# Altium PCB 2016核心板v3.0.PcbDoc
Units mil, origin at the board's own origin, x right, y up, seen from the top; angles counter-clockwise.
Board outline 2660.2 x 2023.11 mil, 2 copper layers (Top Layer, Bottom Layer); 52 components, 125 nets, 383 pads, 47 vias.
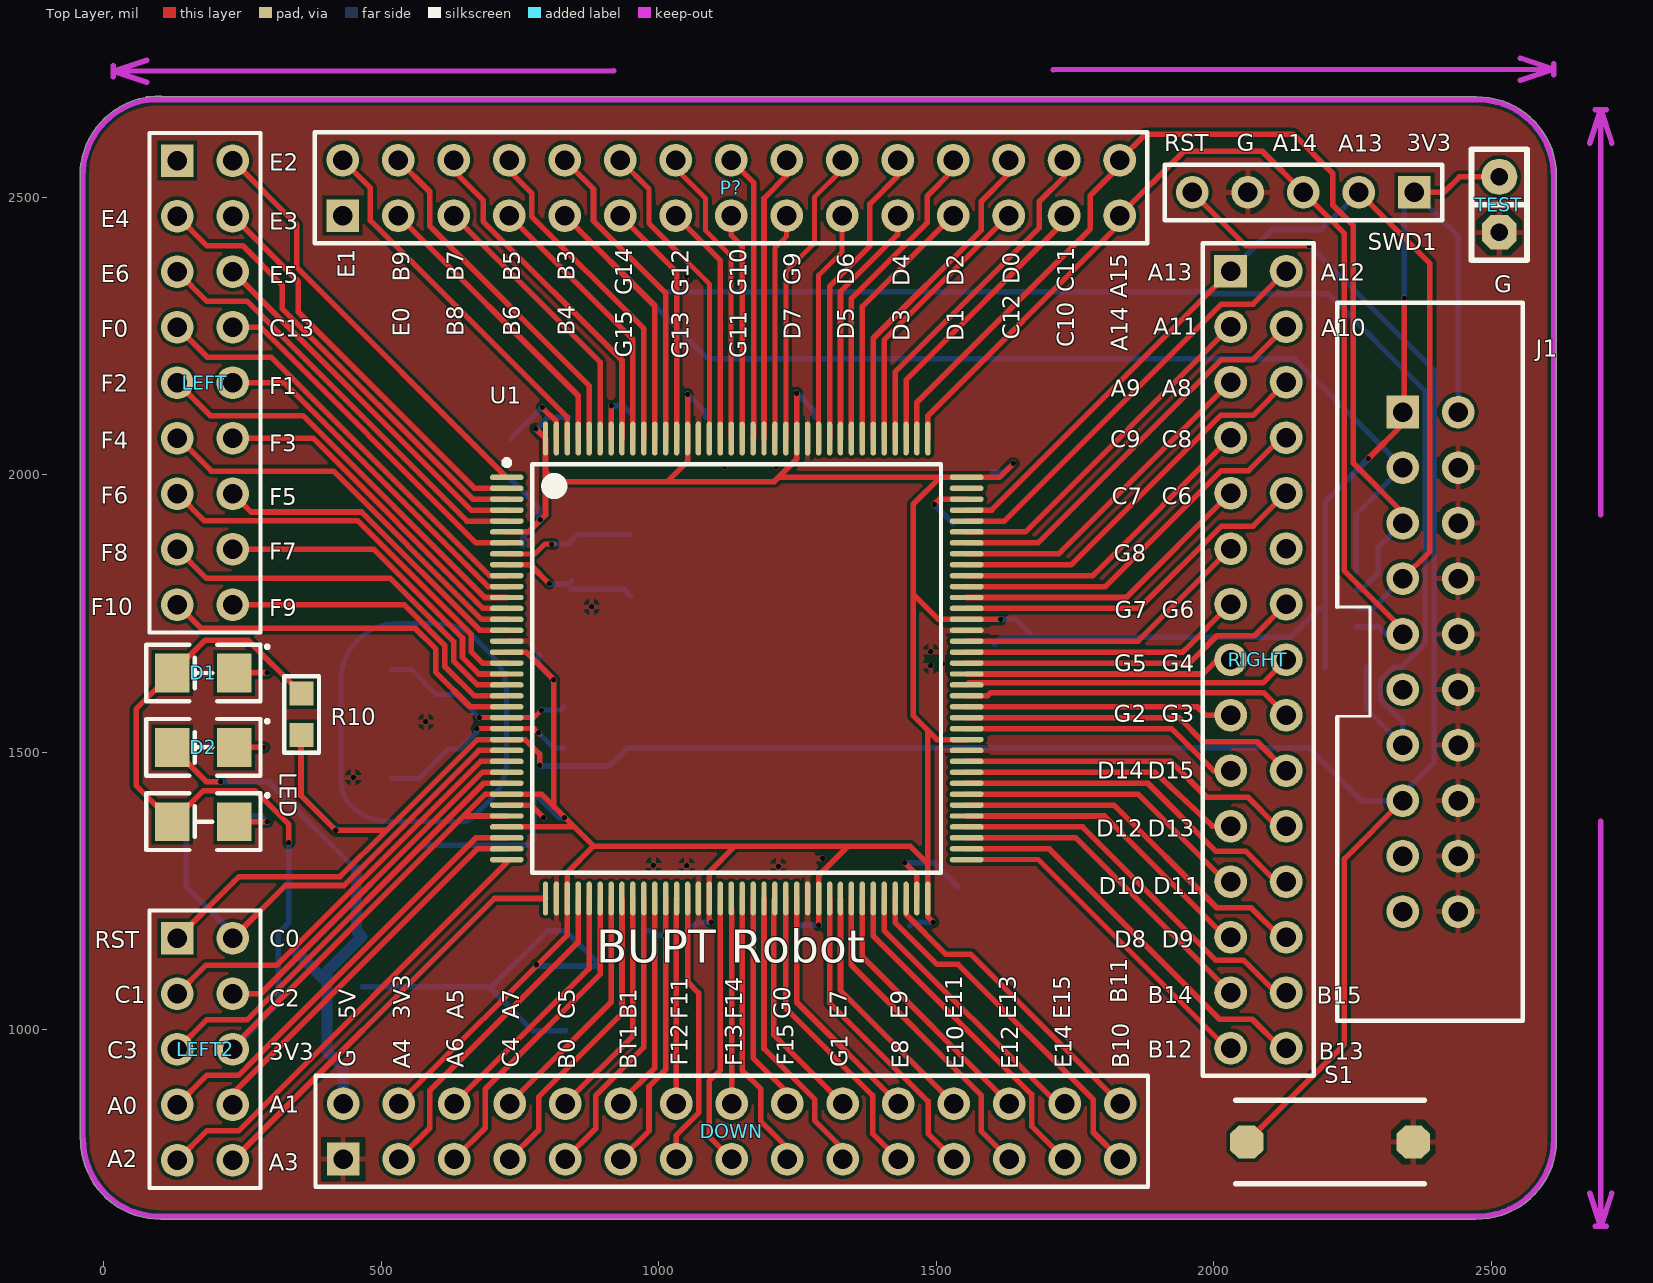
[diagram p0: Top Layer view]
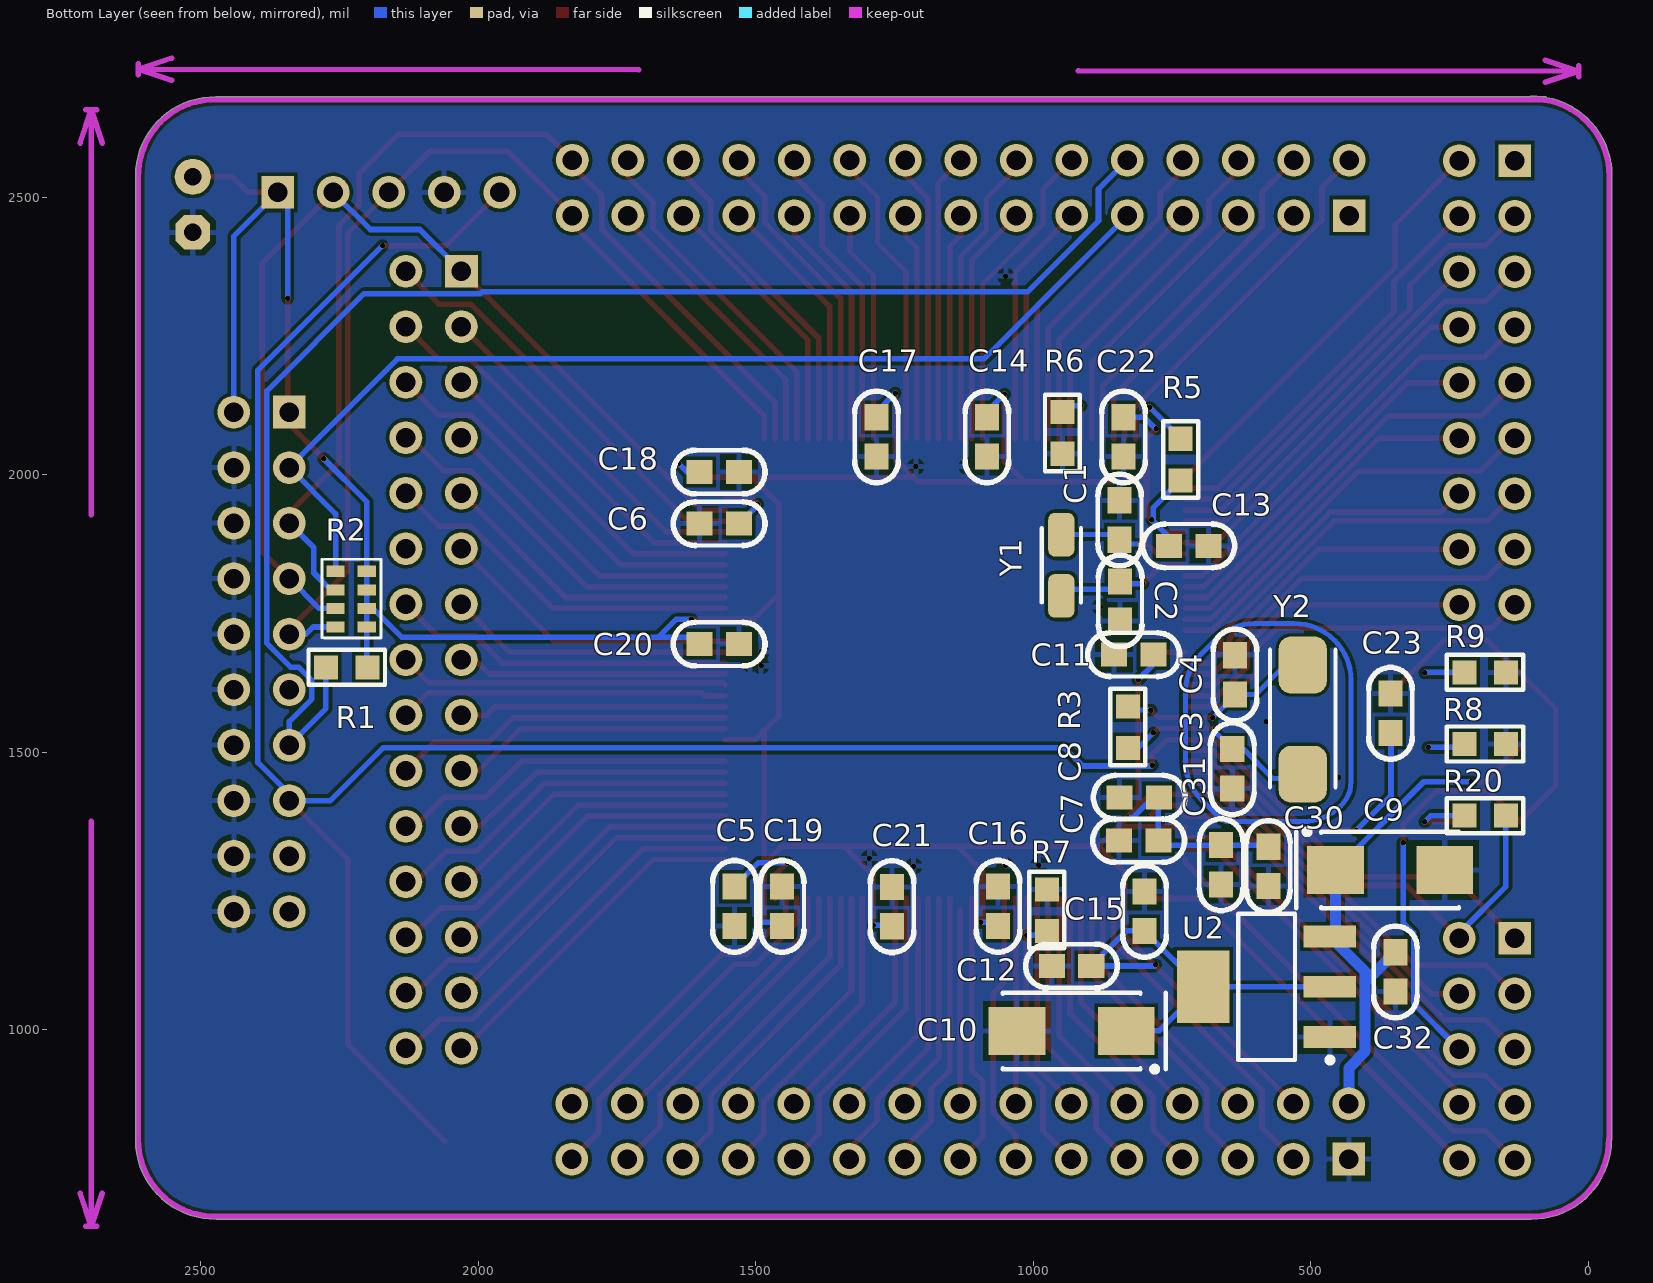
[diagram p1: Bottom Layer view, seen from below]

## Layer stack, top to bottom
Top Layer: signal copper 1.4
Dielectric: dielectric 12.6, FR-4, Dk 4.8
Bottom Layer: signal copper 1.4

## Board outline
-43.01,804 -43.01,2536.6 cw(c-38.08,2537.5) -43.1,2537.43 cw(c99.61,2539.32) 74.8,2679.86 cw(c78,2676) 78,2681.02 82.57,2681.02 cw(c99.61,2539.32) 102.09,2682.01 cw(c102,2677) 105.01,2681.02 2471.6,2681.02 cw(c2472.5,2676.08) 2472.43,2681.1 cw(c2474.32,2538.39) 2617.04,2538.39 cw(c2474.32,2538.39) 2617.02,2535.96 cw(c2474.32,2538.39) 2617.01,2535.91 2617.02,2536 2617.02,804.4 cw(c2612.08,803.5) 2617.1,803.57 cw(c2474.39,801.68) 2617.11,801.68 cw(c2474.39,801.68) 2471.96,658.99 cw(c2474.39,801.68) 2471.91,658.99 2471.96,658.99 103.4,658.99 cw(c102.5,663.92) 102.57,658.9 cw(c100.68,801.61) -42.03,801.02 cw(c-38,804)

## Design rules (kind name [scope] priority, off if disabled: settings)
Clearance [All] p1: gap=5.98
ComponentClearance [All] p1: gap=0.04 collisioncheckmode=3 verticalgap=10 showdistances=FALSE
PolygonConnect [All] p1: connectstyle=Relief reliefconductorwidth=10 reliefentries=4 polygonreliefangle="90 Angle" airgapwidth=10
RoutingVias RoutingVias_1 [All] p1: holewidth=28 width=50 viastyle="Through Hole" minholewidth=10 minwidth=10 maxholewidth=28 maxwidth=50
RoutingVias [All] p2: holewidth=12 width=12 viastyle="Through Hole" minholewidth=10 minwidth=10 maxholewidth=28 maxwidth=50
SolderMaskExpansion [All] p1: expansion=4
Width [All] p1: maxlimit=100 minlimit=7 preferedwidth=10
27 further rules are at their usual default settings.

## Components (designator, comment, footprint, x,y, rotation, side; value= is the part's Value field where it differs from the comment)
C1 "CAP" CAP-MLCC-0603#1 844,1954 r270 bottom
C2 "CAP" CAP-MLCC-0603#1 843,1737 r90 bottom
C3 "CAP" CAP-MLCC-0603#1 641,1435 r90 bottom
C4 "CAP" CAP-MLCC-0603#1 636,1675 r270 bottom
C5 "225" CAP-MLCC-0603#1 1538,1258 r270 bottom
C6 "225" CAP-MLCC-0603#1 1530,1912 r0 bottom
C7 "1uF" CAP-MLCC-0603#1 845,1341 r180 bottom
C8 "0.1uF" CAP-MLCC-0603#1 844,1419 r180 bottom
C9 "CAP-TAN" CAP-TAN-6032/CAPC 455,1288 r0 bottom
C10 "CAP-TAN" CAP-TAN-6032/CAPC 832,998 r180 bottom
C11 "CAP" CAP-MLCC-0603#1 854,1676 r180 bottom
C12 "CAP" CAP-MLCC-0603#1 966,1115 r180 bottom
C13 "CAP" CAP-MLCC-0603#1 684,1872 r0 bottom
C14 "CAP" CAP-MLCC-0603#1 1083,2033 r90 bottom
C15 "CAP" CAP-MLCC-0603#1 799,1249 r270 bottom
C16 "CAP" CAP-MLCC-0603#1 1063,1258 r270 bottom
C17 "CAP" CAP-MLCC-0603#1 1282,2033 r90 bottom
C18 "CAP" CAP-MLCC-0603#1 1530,2005 r0 bottom
C19 "CAP" CAP-MLCC-0603#1 1452,1258 r270 bottom
C20 "CAP" CAP-MLCC-0603#1 1530,1695 r0 bottom
C21 "CAP" CAP-MLCC-0603#1 1254,1257.3 r270 bottom
C22 "CAP" CAP-MLCC-0603#1 837,2033 r90 bottom
C23 "0.1u" CAP-MLCC-0603#1 356,1605.8 r270 bottom
C30 "1uF" CAP-MLCC-0603#2 576,1259 r270 bottom
C31 "10nF" CAP-MLCC-0603#2 661,1262 r270 bottom
C32 "CAP" CAP-MLCC-0603#2 347,1069 r270 bottom
D1 "LED" LED-1206 179,1643 r180 top
D2 "LED" LED-1206 179,1509 r180 top
DOWN "Header 15X2" HDR2X15 431,767 r0 top
J1 "JTAG" FC_2x10 2340,2113 r0 top
LED "LED" LED-1206 179,1375 r180 top (schematic designator D3)
LEFT "Header 9X2" HDR2X9 132,2566 r270 top
LEFT2 "Header 5X2" HDR2X5 132,1165 r270 top
P? "Header 15X2" HDR2X15 430,2467 r0 top
R1 "10K" Res-0603 2274,1653 r180 bottom
R2 "10K" RES-ARR4 2229,1776 r90 bottom
R3 "1MΩ" RES-0603#1 829,1508 r90 bottom
R5 "0Ω" RES-0603#1 734,2065 r270 bottom
R6 "RES" RES-0603#1 947,2038 r90 bottom
R7 "RES" RES-0603#1 975,1253 r270 bottom
R8 "RES" RES-0603#1 222.8,1515 r180 bottom
R9 "RES" RES-0603#1 148,1644 r0 bottom
R10 "RES" RES-0603#1 356,1531 r90 top
R20 "RES" RES-0603#2 148,1386 r180 bottom
RIGHT "Header 15X2" HDR2X15 2030,2367 r270 top
S1 "SW-PB" KEY 2209,798 r0 top
SWD1 "Header 5" HDR1X5 2361,2509 r180 top
TEST "Header 2" SIP2 2514,2537 r270 top
U1 "STM32F407ZGET6" LQFP144-L 1140,1651 r0 top
U2 "IC-AS1117-3.3V" SOT-223 465,987 r90 bottom
Y1 "32.768kHz" Osc-3216 949,1837 r90 bottom
Y2 "8MHz" Osc-6032 514,1559 r270 bottom

## Footprints (in the part's own frame and the unit in brackets; to place one, negate y for a bottom-side part, rotate by r counter-clockwise, add the part's x,y. Pads: shape width x height; smd on the part's side, far side on the other; paste and mask are expansions set on the pad)
CAP-MLCC-0603#1 [mm]
  rect 1.2x1.1 smd: 1(0,0) 2(1.8,0)
  silkscreen extent -1.2,-1 3,1, body extent 0.02,-0.48 1.77,0.47, height 0.85
CAP-MLCC-0603#2 [mm]
  rect 1.2x1.1 smd: 1(0,0) 2(-1.8,0)
  silkscreen extent -3,-1 1.2,1, body extent -1.77,-0.47 -0.02,0.48, height 0.85
CAP-TAN-6032/CAPC [mm]
  rect 2.6x2.2 smd: 1(0,0) 2(-5,0)
  silkscreen extent -5.65,-1.87 1.8,1.75
FC_2x10 [mm] "Connector; Header; 6x2 Position"
  rect 1.5x1.5 hole 0.9: 1(0,0)
  round 1.5 hole 0.9: 2(2.54,0) 3(0,-2.54) 4(2.54,-2.54) 5(0,-5.08) 6(2.54,-5.08) 7(0,-7.62) 8(2.54,-7.62) 9(0,-10.16) 10(2.54,-10.16) 11(0,-12.7) 12(2.54,-12.7) 13(0,-15.24) 14(2.54,-15.24) 15(0,-17.78) 16(2.54,-17.78) 17(0,-20.32) 18(2.54,-20.32) 19(0,-22.86) 20(2.54,-22.86)
  silkscreen extent -3,-27.86 5.5,5
HDR1X5 [mm] "Connector; Header; 5 Position"
  rect 1.5x1.5 hole 0.9: 1(0,0)
  round 1.5 hole 0.9: 2(2.54,0) 3(5.08,0) 4(7.62,0) 5(10.16,0)
  silkscreen extent -1.27,-1.27 11.43,1.27
HDR2X5 [mm] "Connector; Header; 5x2 Position"
  rect 1.5x1.5 hole 0.9: 1(0,0)
  round 1.5 hole 0.9: 2(0,2.54) 3(2.54,0) 4(2.54,2.54) 5(5.08,0) 6(5.08,2.54) 7(7.62,0) 8(7.62,2.54) 9(10.16,0) 10(10.16,2.54)
  silkscreen extent -1.27,-1.27 11.43,3.81
HDR2X9 [mm] "Connector; Header; 9x2 Position"
  rect 1.5x1.5 hole 0.9: 1(0,0)
  round 1.5 hole 0.9: 2(0,2.54) 3(2.54,0) 4(2.54,2.54) 5(5.08,0) 6(5.08,2.54) 7(7.62,0) 8(7.62,2.54) 9(10.16,0) 10(10.16,2.54) 11(12.7,0) 12(12.7,2.54) 13(15.24,0) 14(15.24,2.54) 15(17.78,0) 16(17.78,2.54) 17(20.32,0) 18(20.32,2.54)
  silkscreen extent -1.27,-1.27 21.59,3.81
HDR2X15 [mm] "Connector; Header; 15x2 Position"
  rect 1.5x1.5 hole 0.9: 1(0,0)
  round 1.5 hole 0.9: 2(0,2.54) 3(2.54,0) 4(2.54,2.54) 5(5.08,0) 6(5.08,2.54) 7(7.62,0) 8(7.62,2.54) 9(10.16,0) 10(10.16,2.54) 11(12.7,0) 12(12.7,2.54) 13(15.24,0) 14(15.24,2.54) 15(17.78,0) 16(17.78,2.54) 17(20.32,0) 18(20.32,2.54) 19(22.86,0) 20(22.86,2.54) 21(25.4,0) 22(25.4,2.54) 23(27.94,0) 24(27.94,2.54) 25(30.48,0) 26(30.48,2.54) 27(33.02,0) 28(33.02,2.54) 29(35.56,0) 30(35.56,2.54)
  silkscreen extent -1.27,-1.27 36.83,3.81
KEY [mil]
  oct 60x60 smd: 1(-150,0) 2(150,0)
  silkscreen extent -170,-75 170,75
LED-1206 [mil]
  rect 62x70 smd: 1(56,0) 2(-56,0)
  silkscreen extent -116,-51 103,51
LQFP144-L [mm]
  oval 1.55x0.25 smd: 1(-10.525,8.75) 2(-10.525,8.25) 3(-10.525,7.75) 4(-10.525,7.25) 5(-10.525,6.75) 6(-10.525,6.25) 7(-10.525,5.75) 8(-10.525,5.25) 9(-10.525,4.75) 10(-10.525,4.25) 11(-10.525,3.75) 12(-10.525,3.25) 13(-10.525,2.75) 14(-10.525,2.25) 15(-10.525,1.75) 16(-10.525,1.25) 17(-10.525,0.75) 18(-10.525,0.25) 19(-10.525,-0.25) 20(-10.525,-0.75) 21(-10.525,-1.25) 22(-10.525,-1.75) 23(-10.525,-2.25) 24(-10.525,-2.75) 25(-10.525,-3.25) 26(-10.525,-3.75) 27(-10.525,-4.25) 28(-10.525,-4.75) 29(-10.525,-5.25) 30(-10.525,-5.75) 31(-10.525,-6.25) 32(-10.525,-6.75) 33(-10.525,-7.25) 34(-10.525,-7.75) 35(-10.525,-8.25) 36(-10.525,-8.75) 73(10.525,-8.75) 74(10.525,-8.25) 75(10.525,-7.75) 76(10.525,-7.25) 77(10.525,-6.75) 78(10.525,-6.25) 79(10.525,-5.75) 80(10.525,-5.25) 81(10.525,-4.75) 82(10.525,-4.25) 83(10.525,-3.75) 84(10.525,-3.25) 85(10.525,-2.75) 86(10.525,-2.25) 87(10.525,-1.75) 88(10.525,-1.25) 89(10.525,-0.75) 90(10.525,-0.25) 91(10.525,0.25) 92(10.525,0.75) 93(10.525,1.25) 94(10.525,1.75) 95(10.525,2.25) 96(10.525,2.75) 97(10.525,3.25) 98(10.525,3.75) 99(10.525,4.25) 100(10.525,4.75) 101(10.525,5.25) 102(10.525,5.75) 103(10.525,6.25) 104(10.525,6.75) 105(10.525,7.25) 106(10.525,7.75) 107(10.525,8.25) 108(10.525,8.75)
  oval 0.25x1.55 smd: 37(-8.75,-10.525) 38(-8.25,-10.525) 39(-7.75,-10.525) 40(-7.25,-10.525) 41(-6.75,-10.525) 42(-6.25,-10.525) 43(-5.75,-10.525) 44(-5.25,-10.525) 45(-4.75,-10.525) 46(-4.25,-10.525) 47(-3.75,-10.525) 48(-3.25,-10.525) 49(-2.75,-10.525) 50(-2.25,-10.525) 51(-1.75,-10.525) 52(-1.25,-10.525) 53(-0.75,-10.525) 54(-0.25,-10.525) 55(0.25,-10.525) 56(0.75,-10.525) 57(1.25,-10.525) 58(1.75,-10.525) 59(2.25,-10.525) 60(2.75,-10.525) 61(3.25,-10.525) 62(3.75,-10.525) 63(4.25,-10.525) 64(4.75,-10.525) 65(5.25,-10.525) 66(5.75,-10.525) 67(6.25,-10.525) 68(6.75,-10.525) 69(7.25,-10.525) 70(7.75,-10.525) 71(8.25,-10.525) 72(8.75,-10.525) 109(8.75,10.525) 110(8.25,10.525) 111(7.75,10.525) 112(7.25,10.525) 113(6.75,10.525) 114(6.25,10.525) 115(5.75,10.525) 116(5.25,10.525) 117(4.75,10.525) 118(4.25,10.525) 119(3.75,10.525) 120(3.25,10.525) 121(2.75,10.525) 122(2.25,10.525) 123(1.75,10.525) 124(1.25,10.525) 125(0.75,10.525) 126(0.25,10.525) 127(-0.25,10.525) 128(-0.75,10.525) 129(-1.25,10.525) 130(-1.75,10.525) 131(-2.25,10.525) 132(-2.75,10.525) 133(-3.25,10.525) 134(-3.75,10.525) 135(-4.25,10.525) 136(-4.75,10.525) 137(-5.25,10.525) 138(-5.75,10.525) 139(-6.25,10.525) 140(-6.75,10.525) 141(-7.25,10.525) 142(-7.75,10.525) 143(-8.25,10.525) 144(-8.75,10.525)
  silkscreen extent -10.65,-9.35 9.35,9.55
Osc-3216 [mm]
  rrect50% 2x1.2 smd: 1(-1.4,0) 2(1.4,0)
  silkscreen extent -1.7,-0.9 1.7,0.9
Osc-6032 [mm]
  rrect50% 2.6x2.2 smd: 1(-2.5,0) 2(2.5,0)
  silkscreen extent -3.2,-1.5 3.1,1.5
Res-0603 [mm]
  rect 1.1x1.1 smd: 1(0,0) 2(1.9,0)
  silkscreen extent -0.8,-0.8 2.7,0.8, body extent 0.1,-0.48 1.8,0.47, height 0.6
RES-0603#1 [mm]
  rect 1.1x1.1 smd: 1(0,0) 2(1.9,0)
  silkscreen extent -0.8,-0.8 2.7,0.8, body extent 0.1,-0.48 1.8,0.47, height 0.6
RES-0603#2 [mm]
  rect 1.1x1.1 smd: 1(0,0) 2(-1.9,0)
  silkscreen extent -2.7,-0.8 0.8,0.8, body extent -1.8,-0.47 -0.1,0.48, height 0.6
RES-ARR4 [mm]
  rect 0.508x0.835 smd: 1(-1.275,0.701) 2(-1.275,-0.727) 3(-0.425,0.701) 4(-0.425,-0.727) 5(0.425,0.701) 6(0.425,-0.727) 7(1.275,0.701) 8(1.275,-0.727)
  silkscreen extent -1.77,-1.37 1.83,1.32
SIP2 [mil]
  round 65 hole 32: 1(0,0)
  oct 62x62 hole 32: 2(100,0)
  silkscreen extent -50,-50 150,50
SOT-223 [mm] "SOT223, 4-Leads, Body 6.7x7.3mm (max), Pitch 2.30mm, IPC Medium Density"
  rect 1x2.4 smd: 1(0,0) 2(2.3,0) 3(4.6,0)
  rect 3.3x2.4 smd: 2(2.3,5.8)
  silkscreen extent -1.17,-0.12 5.65,4.2

## Part data
C1 C2 C3 C4 C11 C12 C13 C14 C15 C16 C17 C18 C19 C20 C21 C22 C32: "无极性电容"
C5 C6 C7 C8 C23 C30 C31: library part CAP, "无极性电容"
C9 C10: "钽电容"
DOWN P? RIGHT: "Header, 15-Pin, Dual row"
LEFT: "Header, 9-Pin, Dual row"
LEFT2: "Header, 5-Pin, Dual row"
R1: library part Res1, "Resistor"
R2: library part RES-ARR4
R3 R5: library part RES, "电阻"
R6 R7 R8 R9 R10 R20: "电阻"
S1: "Switch"
SWD1: "Header, 5-Pin"
TEST: "Header, 2-Pin"
U1: library part Component_1
U2: "AS1117-3.3V"
Y1 Y2: library part C-Osc, "Crystal Oscillator"

## Via types
v1: diameter 10, hole 10, Top Layer to Bottom Layer, 47 vias

## Nets (pads, with @x,y where several pads share a name; then routed paths per layer and width w, separated by ;. In a path a pad name is that pad's centre, name@x,y a point inside that pad or via, vN(x,y) a via of type N, cw(c..) or ccw(c..) an arc to the next point about the centre after c; other vN are vias at no path point)
3V3: C7.2 C8.2 C10.1 C11.2 C12.2 C13.2 C14.2 C15.2 C16.2 C17.2 C18.2 C19.2 C20.2 C21.2 C22.2 C30.2 C31.2 D1.1 DOWN.4 J1.1 J1.2 LED.1 LEFT2.6 R1.2 R2.2 R2.4 R2.6 R2.8 R5.2 R10.2 SWD1.1 TEST.1 U1.6 U1.17 U1.30 U1.32 U1.33 U1.39 U1.52 U1.62 U1.72 U1.84 U1.95 U1.108 U1.121 U1.131 U1.144 U2.2 | length 10718
  Top Layer w10: LEFT2.6 232,969.39 647.86,1385.25 ; v1(333,1337) 333,1370 271.98,1431.02 179.02,1431.02 LED.1 58,1440 58,1578 D1.1 182,1702 259.8,1702 R10.2 ; DOWN.4 834.88,1170.88 U1.39 834.88,1283.88 882,1331 ; U1.33 847.43,1365.57 ; U1.32 647.86,1385.25 ; U1.17 760.89,1680.53 v1(810.63,1630.78) 810.63,1402.37 ; U1.6 765.06,1897.06 795.51,1927.51 795.51,2006 ; v1(777.88,2083) U1.144 795.51,2006 ; v1(1051.42,2145.42) U1.131 1051.42,2023.91 1015.17,1987.66 ; v1(1094,1193.49) 1090.79,1196.7 U1.52 1090.79,1284.79 1137,1331 ; 1218.51,1995.49 1506.49,1995.49 ; v1(1248.27,2147.27) U1.121 1248.27,2028.27 1207.66,1987.66 1015.17,1987.66 ; v1(1287.64,1188.36) U1.62 1287.64,1277.64 1341,1331 ; v1(1494,1194) 1484.49,1203.51 U1.72 1484.49,1299 ; U1.84 1500.95,1523.05 1484.49,1539.51 ; v1(1615.58,1739.58) U1.95 1503.42,1739.58 1458,1785 ; v1(1638.5,2020.5) 1613.49,1995.49 U1.108 1506.49,1995.49 ; v1(2278,2029) 2340,2091 J1.1 2343,2116 v1(2343,2318) ; SWD1.1 2414,2509 2442,2537 TEST.1 ; 647.86,1385.25 687.23,1424.62 U1.30 788.38,1424.62 810.63,1402.37 ; 795.51,2006 813.85,1987.66 1015.17,1987.66 ; 810.63,1402.37 847.43,1365.57 ; 847.43,1365.57 882,1331 ; 882,1331 1137,1331 ; 1137,1331 1341,1331 ; 1341,1331 1452.49,1331 1484.49,1299 ; 1458,1785 1458,1947 1506.49,1995.49 ; 1458,1785 1458,1566 1484.49,1539.51 ; 1484.49,1299 1484.49,1539.51
  Bottom Layer w10: LEFT2.6 314.36,1047.36 314.36,1174.47 333,1193.11 v1(333,1337) ; U2.2@465,1077.55 U2.2@693.35,1077.55 ; C30.2 579,1332.87 C31.2 766,1332.87 C7.2 774.13,1418 C8.2 783.19,1419 819.85,1382.34 v1(829,1382.34) ; R5.2 783.2,1941 783.2,1921.8 v1(786,1919) 754.87,1887.87 C13.2 ; v1(777.88,2083) 779,2083 799.87,2103.87 C22.2 ; v1(779,1117) 781,1115 C12.2 832,1178.13 C15.2 698.42,1077.55 U2.2@693.35,1077.55 ; C11.2 783.13,1658.28 v1(810.63,1630.78) ; C10.1 772.9,998 U2.2@693.35,1077.55 ; v1(1051.42,2145.42) 1083,2113.83 C14.2 ; C16.2 1069.35,1193.49 v1(1094,1193.49) ; v1(1248.27,2147.27) 1282,2113.54 C17.2 ; C21.2 1255.93,1188.36 v1(1287.64,1188.36) ; C19.2 1458.87,1194 v1(1494,1194) ; C18.2 1623,2005 v1(1638.5,2020.5) ; C20.2@1604.57,1695 1617.08,1707.51 1675,1707.51 ; v1(1615.58,1739.58) 1642.93,1739.58 1675,1707.51 ; R1.2 2200.39,1654.2 R2.2 R2.4 ; v1(2278,2029) 2200.39,1951.39 R2.8 R2.6 R2.4 ; v1(2343,2318) 2343,2491 SWD1.1 2440,2430 J1.2 ; 1675,1707.51 2137.51,1707.51 2189.27,1759.27 R2.4
5V: C9.1 C32.2 D2.1 DOWN.2 U2.3 | length 964.4
  Top Layer w10: D2.1 185,1447 v1(210,1447)
  Bottom Layer w10: v1(210,1447) 296,1447 C9.1
  Bottom Layer w20: C32.2 401.77,1085.09 ; DOWN.2 431,931.47 401.77,960.69 401.77,1085.09 ; C9.1 455,1178.1 U2.3 401.77,1104.87 401.77,1085.09
BOOT0: R6.2 U1.138 | length 97.2
  Top Layer w10: U1.138 v1(913.62,2124.38)
  Bottom Layer w10: v1(913.62,2124.38) 935.43,2124.38 R6.2
BOOT1: DOWN.11 R7.2 U1.48 | length 542.6
  Top Layer w10: DOWN.11 982,818 982,898 1012.05,928.05 U1.48
  Bottom Layer w10: R7.2 988.8,1178.2 997,1170 v1(1011,1170)
GND: C1.1 C2.1 C3.1 C4.1 C5.2 C6.2 C7.1 C8.1 C9.2 C10.2 C11.1 C12.1 C13.1 C14.1 C15.1 C16.1 C17.1 C18.1 C19.1 C20.1 C21.1 C22.1 C23.1 C30.1 C31.1 C32.1 DOWN.1 J1.4 J1.6 J1.8 J1.10 J1.12 J1.14 J1.16 J1.18 J1.20 R6.1 R7.1 R8.2 R9.1 S1.2 SWD1.4 TEST.2 U1.16 U1.31 U1.38 U1.51 U1.61 U1.83 U1.94 U1.120 U1.130 U2.1 | length 75.7
  Top Layer w10: U1.31 769.4,1404.94 v1(792,1382.34)
  other v1: 1215,1295 990,1296.48 1050,1295.62 1295,1309 449,1455 580,1555 1490,1656 1510,1659.35 1490,1681 878.65,1762 1118.65,2015 1211,2015 1049,2358
NetC5_1: C5.1 U1.71 | length 187.1
  Top Layer w10: v1(1442.69,1301.31) 1464.8,1279.2 U1.71
  Bottom Layer w10: v1(1442.69,1301.31) 1494.69,1301.31 C5.1
NetC6_1: C6.1 U1.106 | length 111.2
  Top Layer w10: v1(1496,1947) 1505.12,1956.12 U1.106
  Bottom Layer w10: v1(1496,1947) 1496,1946 C6.1
NetD1_2: D1.2 R9.2 | length 130.6
  Top Layer w10: D1.2 v1(294,1643)
  Bottom Layer w10: R9.2 293,1644 v1(294,1643)
NetD2_2: D2.2 R8.1 | length 120.7
  Top Layer w10: D2.2 v1(288,1509)
  Bottom Layer w10: R8.1 228.8,1509 v1(288,1509)
NetD3_2: LED.2 R20.2 | length 134.8
  Top Layer w10: LED.2 v1(294,1375)
  Bottom Layer w10: R20.2 283,1386 v1(294,1375)
NetR5_1: R5.1 U1.143 | length 146.3
  Top Layer w10: v1(789.47,2121.5) 815.2,2095.78 U1.143
  Bottom Layer w10: R5.1 734,2066.03 v1(789.47,2121.5)
PA0: LEFT2.7 U1.34 | length 793
  Top Layer w10: LEFT2.7 185,918 242.29,918 272.51,948.22 272.51,948.51 669.88,1345.88 U1.34
PA1: LEFT2.8 U1.35 | length 696.4
  Top Layer w10: LEFT2.8 232,885.1 673.09,1326.2 U1.35
PA2: LEFT2.9 U1.36 | length 821
  Top Layer w10: LEFT2.9 185,818 242.29,818 725.63,1301.34 U1.36
PA3: LEFT2.10 U1.37 | length 758.9
  Top Layer w10: LEFT2.10 703.63,1236.63 U1.37
PA4: DOWN.3 U1.40 | length 603.7
  Top Layer w10: DOWN.3 587,823 587,891 854.57,1158.57 U1.40
PA5: DOWN.6 U1.41 | length 470.4
  Top Layer w10: DOWN.6 874.25,1110.25 U1.41
PA6: DOWN.5 U1.42 | length 578.5
  Top Layer w10: DOWN.5 687,823 687,893 893.94,1099.94 U1.42
PA7: DOWN.8 U1.43 | length 445.3
  Top Layer w10: DOWN.8 913.62,1049.62 U1.43
PA8: RIGHT.6 U1.100 | length 708.1
  Top Layer w10: U1.100 1743.01,1838.01 ; 1746.01,1841.01 2012.51,2107.51 2046.78,2107.51 2047.29,2107 2070,2107 RIGHT.6
PA9: RIGHT.5 U1.101 | length 599.5
  Top Layer w10: U1.101 1720.69,1857.69 ; 1723.69,1860.69 RIGHT.5
PA10: RIGHT.4 U1.102 | length 737
  Top Layer w10: U1.102 1683.09,1877.38 2013.22,2207.51 2070.51,2207.51 RIGHT.4
PA11: RIGHT.3 U1.103 | length 628.9
  Top Layer w10: U1.103 1660.06,1897.06 RIGHT.3
PA12: RIGHT.2 U1.104 | length 762.1
  Top Layer w10: U1.104 1622.46,1916.75 2013.22,2307.51 2070.51,2307.51 RIGHT.2
PA13: J1.7 R2.3 RIGHT.1 SWD1.2 U1.105 | length 1818.8
  Top Layer w10: U1.105 1599.43,1936.43 RIGHT.1 ; SWD1.2 2389,2381 2389,1862 J1.7
  Bottom Layer w10: RIGHT.1 2105,2442 2194,2442 SWD1.2 ; R2.3 2286.27,1759.27 J1.7
PA14: J1.9 P?.29 R2.1 SWD1.3 U1.109 | length 1913.3
  Top Layer w10: U1.109 1484.49,2106.49 1830,2452 P?.29 1946,2583 2087,2583 SWD1.3 2235,2435 2235,1827 2340,1722 J1.9
  Bottom Layer w10: R2.1 2297.2,1725.8 2310,1713 J1.9
PA15: J1.5 P?.30 R2.5 U1.110 | length 1927.8
  Top Layer w10: U1.110 1464.8,2130.8 1777,2443 1777,2503 1830,2556 P?.30 1877,2614 2143,2614 2214,2543 2214,2486 2250.98,2449.02 2250.98,2021.02 2340,1932 J1.5
  Bottom Layer w10: R2.5 2265.11,1792.73 2296,1823.62 2296,1869 J1.5
PB0: DOWN.9 U1.46 | length 528.3
  Top Layer w10: DOWN.9 886,822 886,882 972.68,968.68 U1.46
PB1: DOWN.12 U1.47 | length 395
  Top Layer w10: DOWN.12 931,869.61 992.36,930.97 U1.47
PB3: J1.13 P?.10 R1.1 U1.133 | length 3197.8
  Top Layer w10: P?.10 882,2515 882,2457.71 1012.05,2327.66 U1.133
  Bottom Layer w10: P?.10 882,2515 882,2457.71 1010,2329.71 1992.7,2329.71 1995.92,2326.49 2205.25,2326.49 2380.51,2151.23 2380.51,1696.22 2337.8,1653.51 2323.22,1653.51 2299.49,1629.78 2299.49,1596.22 2340,1555.71 J1.13 2274,1579 R1.1
PB4: J1.3 P?.9 R2.7 U1.134 | length 2389
  Top Layer w10: P?.9 992.36,2304.64 U1.134
  Bottom Layer w10: P?.9 1088,2209 2145.29,2209 2340,2014.29 J1.3 2256.61,1929.61 R2.7
PB5: P?.8 U1.135 | length 602.2
  Top Layer w10: P?.8 730,2548.02 770.51,2507.51 770.51,2465.49 972.68,2263.32 U1.135
PB6: P?.7 U1.136 | length 494
  Top Layer w10: P?.7 952.99,2244.01 U1.136
PB7: P?.6 U1.137 | length 627.3
  Top Layer w10: P?.6 630,2548.02 683,2495.02 683,2456.71 933.31,2206.4 U1.137
PB8: P?.5 U1.139 | length 511
  Top Layer w10: P?.5 893.94,2203.06 U1.139
PB9: P?.4 U1.140 | length 644.2
  Top Layer w10: P?.4 587,2510 587,2448 874.25,2160.75 U1.140
PB10: DOWN.29 U1.69 | length 659.9
  Top Layer w10: U1.69 1425.43,1193.57 1501,1118 1539,1118 1782.5,874.5 1782.5,815.5 DOWN.29
PB11: DOWN.30 U1.70 | length 555.6
  Top Layer w10: U1.70 1445.12,1208.23 1517.35,1136 1562,1136 DOWN.30
PB12: RIGHT.29 U1.73 | length 614.2
  Top Layer w9: U1.73 1683.51,1306.51 ; 1684,1306 RIGHT.29@2027,963
PB13: RIGHT.30 U1.74 | length 724.4
  Top Layer w10: U1.74 1702.8,1326.2 2010,1019 2069,1019 2121,967 RIGHT.30
PB14: RIGHT.27 U1.75 | length 591.1
  Top Layer w10: U1.75 1751.12,1345.88 RIGHT.27
PB15: RIGHT.28 U1.76 | length 699.3
  Top Layer w10: U1.76 1763.43,1365.57 2004,1125 2054,1125 2112,1067 RIGHT.28
PC0: LEFT2.2 R20.1 U1.26 | length 889.6
  Top Layer w10: LEFT2.2 327.02,1260.02 432.2,1260.02 675.55,1503.36 U1.26
  Bottom Layer w10: R20.1 148,1258 232,1174 LEFT2.2
PC1: LEFT2.3 U1.27 | length 767.1
  Top Layer w10: LEFT2.3 183,1116 310.79,1116 678.47,1483.68 U1.27
PC2: LEFT2.4 U1.28 | length 658.9
  Top Layer w10: LEFT2.4 282.39,1065 681.39,1463.99 U1.28
PC3: LEFT2.5 U1.29 | length 792.2
  Top Layer w10: LEFT2.5 185,1018 258,1018 684.31,1444.31 U1.29
PC4: DOWN.7 U1.44 | length 553.4
  Top Layer w10: DOWN.7 783,819 783,879 933.31,1029.31 U1.44
PC5: DOWN.10 U1.45 | length 420.2
  Top Layer w10: DOWN.10 952.99,988.99 U1.45
PC6: RIGHT.10 U1.96 | length 657.4
  Top Layer w10: U1.96 1864.98,1759.27 ; 1867.98,1762.27 2013.22,1907.51 2070.51,1907.51 RIGHT.10
PC7: RIGHT.9 U1.97 | length 553.5
  Top Layer w10: U1.97 1841.95,1778.95 RIGHT.9
PC8: RIGHT.8 U1.98 | length 682.5
  Top Layer w10: U1.98 1804.35,1798.64 ; 1807.35,1801.64 2013.22,2007.51 2062.51,2007.51 2122,2067 RIGHT.8
PC9: RIGHT.7 U1.99 | length 574.4
  Top Layer w10: U1.99 1781.32,1818.32 ; 1784.32,1821.32 RIGHT.7
PC10: P?.27 U1.111 | length 519.6
  Top Layer w10: U1.111 1445.12,2171.12 1730,2456 P?.27
PC11: P?.28 U1.112 | length 627.8
  Top Layer w10: U1.112 1425.43,2185.43 1685,2445 1685,2492 1730,2537 P?.28
PC12: P?.25 U1.113 | length 494.5
  Top Layer w10: U1.113 1405.75,2242.75 P?.25
PC13: LEFT.8 U1.7 | length 654.6
  Top Layer w10: LEFT.8 282,2266 670.62,1877.38 U1.7
PC14: C1.2 U1.8 Y1.2 | length 241.4
  Top Layer w9: U1.8 776.69,1857.69 794.26,1875.26 v1(807,1875.26) v1@810.74,1875.26
  Bottom Layer w9: v1(807,1875.26) 836.13,1875.26 C1.2 852.98,1892.12 Y1.2
PC15: C2.2 U1.9 Y1.1 | length 246.4
  Top Layer w10: U1.9 767.99,1838.01 v1(802,1804) v1@801.63,1804
  Bottom Layer w10: v1(802,1804) 839.13,1804 C2.2 ; C2.2@841,1793.87 937.02,1793.87 Y1.1
PD0: P?.26 U1.114 | length 602.7
  Top Layer w10: U1.114 1386.06,2246.06 1581,2441 1581,2493 1630,2542 P?.26
PD1: P?.23 U1.115 | length 469.4
  Top Layer w10: U1.115 1366.38,2303.38 P?.23
PD2: P?.24 U1.116 | length 577.6
  Top Layer w10: U1.116 1346.69,2317.69 1483,2454 1483,2502 1530,2549 P?.24
PD3: P?.21 U1.117 | length 444.3
  Top Layer w10: U1.117 1327.01,2330.01 1430,2433 P?.21
PD4: P?.22 U1.118 | length 552.4
  Top Layer w10: U1.118 1307.32,2339.32 1380,2412 1380,2488 1430,2538 P?.22
PD5: P?.19 U1.119 | length 419.2
  Top Layer w9: U1.119 1287.64,2359.64 1330,2402 P?.19
PD6: P?.20 U1.122 | length 543.6
  Top Layer w9: U1.122 1228.58,2365.96 1280,2417.38 1280,2500 1330,2550 P?.20
PD7: P?.17 U1.123 | length 410.4
  Top Layer w9: U1.123 1208.9,2408.9 1230,2430 P?.17
PD8: RIGHT.25 U1.77 | length 566
  Top Layer w10: U1.77 1802.75,1385.25 2021,1167 RIGHT.25
PD9: RIGHT.26 U1.78 | length 674.2
  Top Layer w10: U1.78 1820.06,1404.94 2005,1220 2067,1220 2120,1167 RIGHT.26
PD10: RIGHT.23 U1.79 | length 540.9
  Top Layer w10: U1.79 1863.38,1424.62 2021,1267 RIGHT.23
PD11: RIGHT.24 U1.80 | length 649.1
  Top Layer w10: U1.80 1880.69,1444.31 2003,1322 2057,1322 2112,1267 RIGHT.24
PD12: RIGHT.21 U1.81 | length 514.1
  Top Layer w10: U1.81 1894.01,1463.99 1997,1367 RIGHT.21
PD13: RIGHT.22 U1.82 | length 624
  Top Layer w10: U1.82 1922.32,1483.68 1987,1419 2061,1419 2113,1367 RIGHT.22
PD14: RIGHT.19 U1.85 | length 507
  Top Layer w10: U1.85 1923.27,1542.73 1999,1467 RIGHT.19
PD15: RIGHT.20 U1.86 | length 615.2
  Top Layer w10: U1.86 1937.02,1562.42 1980.44,1519 2078,1519 RIGHT.20
PE0: P?.3 U1.141 | length 536.1
  Top Layer w10: P?.3 854.57,2142.43 U1.141
PE1: P?.2 U1.142 | length 669.3
  Top Layer w10: P?.2 480,2517 480,2458 834.88,2103.12 U1.142
PE2: LEFT.2 U1.1 | length 775
  Top Layer w10: LEFT.2 347,2451 347,2374.12 U1.1
PE3: LEFT.4 U1.2 | length 728.8
  Top Layer w10: LEFT.4 350,2348 350,2293.21 667.41,1975.8 U1.2
PE4: LEFT.3 U1.3 | length 829.7
  Top Layer w10: LEFT.3 185,2413 250,2413 321,2342 321,2299.61 664.49,1956.12 U1.3
PE5: LEFT.6 U1.4 | length 671.6
  Top Layer w10: LEFT.6 661.57,1936.43 U1.4
PE6: LEFT.5 U1.5 | length 779.7
  Top Layer w10: LEFT.5 185,2313 257.61,2313 653.86,1916.75 U1.5
PE7: DOWN.20 U1.58 | length 421.8
  Top Layer w10: U1.58 1207,1234.73 1207,991 DOWN.20
PE8: DOWN.21 U1.59 | length 553.5
  Top Layer w10: U1.59 1228.58,1038.42 1385,882 1385,813 DOWN.21
PE9: DOWN.22 U1.60 | length 445.3
  Top Layer w10: U1.60 1248.27,1049.73 DOWN.22
PE10: DOWN.23 U1.63 | length 562.3
  Top Layer w10: U1.63 1307.32,1048.68 1485,871 1485,813 DOWN.23
PE11: DOWN.24 U1.64 | length 454.1
  Top Layer w10: U1.64 1327.01,1070.99 DOWN.24
PE12: DOWN.25 U1.65 | length 587.4
  Top Layer w10: U1.65 1346.69,1116.31 1581,882 1581,817 DOWN.25
PE13: DOWN.26 U1.66 | length 479.2
  Top Layer w10: U1.66 1366.38,1131.62 DOWN.26
PE14: DOWN.27 U1.67 | length 612.5
  Top Layer w10: U1.67 1386.06,1169.23 1671.51,883.78 1671.51,826.49 DOWN.27
PE15: DOWN.28 U1.68 | length 512
  Top Layer w10: U1.68 1405.75,1179.25 1718,867 DOWN.28
PF0: LEFT.7 U1.10 | length 779.1
  Top Layer w10: LEFT.7 186,2212 301,2212 694.68,1818.32 U1.10
PF1: LEFT.10 U1.11 | length 645.8
  Top Layer w10: LEFT.10 324.39,2166 691.76,1798.64 U1.11
PF2: LEFT.9 U1.12 | length 754
  Top Layer w10: LEFT.9 191.49,2106.51 358.49,2106.51 686.05,1778.95 U1.12
PF3: LEFT.12 U1.13 | length 620.7
  Top Layer w10: LEFT.12 376.39,2066 683.13,1759.27 U1.13
PF4: LEFT.11 U1.14 | length 728.8
  Top Layer w10: LEFT.11 134,2066 193.49,2006.51 413.28,2006.51 680.21,1739.58 U1.14
PF5: LEFT.14 U1.15 | length 595.6
  Top Layer w10: LEFT.14 265.02,1932.98 464.2,1932.98 677.29,1719.9 U1.15
PF6: LEFT.13 U1.18 | length 738.6
  Top Layer w10: LEFT.13 181,1917 457.58,1917 661.94,1712.64 661.94,1681 682.09,1660.84 U1.18
PF7: LEFT.16 U1.19 | length 607.3
  Top Layer w10: LEFT.16 485.97,1866 645.95,1706.02 645.95,1670.92 675.71,1641.16 U1.19
PF8: LEFT.15 U1.20 | length 715.5
  Top Layer w10: LEFT.15 184,1814 515.37,1814 629.97,1699.4 629.97,1664.3 672.79,1621.47 U1.20
PF9: LEFT.18 U1.21 | length 583.8
  Top Layer w10: LEFT.18 540.76,1766 613.98,1692.78 613.98,1655.02 667.21,1601.79 U1.21
PF10: LEFT.17 U1.22 | length 694.4
  Top Layer w10: LEFT.17 174.5,1723.5 560.5,1723.5 598,1686 598,1644 659.9,1582.1 U1.22
PF11: DOWN.14 U1.49 | length 369.9
  Top Layer w10: DOWN.14 1031,1235.9 U1.49
PF12: DOWN.13 U1.50 | length 494.7
  Top Layer w10: DOWN.13 1031,809.71 1071.51,850.22 1071.51,1066.49 1051.42,1086.58 U1.50
PF13: DOWN.15 U1.53 | length 494.7
  Top Layer w10: U1.53 1110.47,927.47 1090.49,907.49 1090.49,807.51 DOWN.15
PF14: DOWN.16 U1.54 | length 349.4
  Top Layer w10: DOWN.16 U1.54@1131,1216.38
PF15: DOWN.17 U1.55 | length 503.2
  Top Layer w10: U1.55 1149.84,927.12 1183,893.96 1183,836 1231,788 DOWN.17
PG0: DOWN.18 U1.56 | length 395.1
  Top Layer w10: U1.56 1169.53,949.47 1231,888 DOWN.18
PG1: DOWN.19 U1.57 | length 528.4
  Top Layer w10: U1.57 1189.21,966.08 1281,874.29 1281,836 1331,786 DOWN.19
PG2: RIGHT.17 U1.87 | length 481.9
  Top Layer w10: U1.87 1969.9,1582.1 1985,1567 RIGHT.17
PG3: RIGHT.18 U1.88 | length 613.8
  Top Layer w10: U1.88 1591.79,1601.79 1597.51,1607.51 2089.49,1607.51 RIGHT.18 RIGHT.18@2111,1567
PG4: RIGHT.16 U1.89 | length 594.5
  Top Layer w10: U1.89 1558.07,1625.17 2088.17,1625.17 RIGHT.16
PG5: RIGHT.15 U1.90 | length 482.1
  Top Layer w10: U1.90 1980.16,1641.16 ; 1983.16,1644.16 2006,1667 RIGHT.15
PG6: RIGHT.14 U1.91 | length 619.6
  Top Layer w10: U1.91 1955.84,1660.84 2005,1710 2073,1710 RIGHT.14
PG7: RIGHT.13 U1.92 | length 507.2
  Top Layer w10: U1.92 1943.53,1680.53 ; 1946.53,1683.53 RIGHT.13
PG8: RIGHT.11 U1.93 | length 544.7
  Top Layer w10: U1.93 1863.21,1700.21 RIGHT.11
PG9: P?.18 U1.124 | length 518.5
  Top Layer w10: U1.124 1189.21,2498.21 1230,2539 P?.18
PG10: P?.16 U1.125 | length 518.8
  Top Layer w10: P?.16 1170.51,2526.49 1170.51,2066.35 U1.125
PG11: P?.15 U1.126 | length 409.8
  Top Layer w10: P?.15 1130,2432 1149.84,2412.16 U1.126
PG12: P?.14 U1.127 | length 543.1
  Top Layer w9: P?.14 1030,2552 1084,2498 1084,2440 1130.16,2393.84 U1.127
PG13: P?.13 U1.128 | length 435
  Top Layer w10: P?.13 1110.47,2386.53 U1.128
PG14: P?.12 U1.129 | length 568.2
  Top Layer w9: P?.12 982,2515 982,2453 1090.79,2344.21 U1.129
PG15: P?.11 U1.132 | length 443.8
  Top Layer w10: P?.11 1031.73,2365.27 U1.132
PH0: C4.2 R3.2 U1.23 Y2.1 | length 357
  Top Layer w9: v1(676,1562.42) U1.23 774.08,1562.42 v1(787.66,1576)
  Bottom Layer w9: Y2.1@518,1649.43 553.57,1649.43 598.87,1604.13 C4.2 636,1602.17 676,1562.17 v1(676,1562.42) ; v1(787.66,1576) 822.2,1576 R3.2
PH1: C3.2 R3.1 U1.24 Y2.2 | length 369
  Top Layer w9: v1(672,1542.73) U1.24 775.27,1542.73 v1(783,1535) v1@785,1533
  Bottom Layer w9: Y2.2@518,1452.57 567.57,1452.57 620.87,1505.87 C3.2 672,1536.87 v1(672,1542.73) ; v1(783,1535) 810,1508 R3.1
RESET: C23.2 J1.15 LEFT2.1 R10.1 S1.1 SWD1.5 U1.25 | length 5030.6
  Top Layer w10: LEFT2.1 243,1276 425.58,1276 508.79,1359.21 ; R10.1 355,1530 355,1422 v1(417.79,1359.21) 508.79,1359.21 ; v1(785,1477) 785,1497 758.95,1523.05 U1.25 672.63,1523.05 508.79,1359.21 ; SWD1.5 2057,2413 v1(2172,2413) ; S1.1 2235,974 2235,1308 J1.15
  Bottom Layer w10: C23.2 355,1533.94 355,1422 v1(417.79,1359.21) ; v1(785,1477) 786.64,1475.36 910.36,1475.36 943,1508 2171,1508 2266,1413 J1.15 2340,1425 2396.5,1481.5 2396.5,2188.5 v1(2172,2413)
pads on no net: J1.11 J1.17 J1.19 LEFT.1 P?.1 RIGHT.12 U1.107
copper on no net: | length 1129.7
  Bottom Layer w9: 427,1447.05 ccw(c487.47,1447.05) 444.71,1404.29 ccw(c515.42,1475) 515.42,1375 603,1375 613.5,1375 634.5,1375 645,1375 ccw(c645,1403.97) 665.49,1383.49 696.34,1414.34 ccw(c625.63,1485.05) 725.63,1485.05 725.63,1606.95 ccw(c625.63,1606.95) 696.34,1677.66 671.29,1702.71 ccw(c600.58,1632) 600.58,1732 528.42,1732 ccw(c528.42,1632) 457.71,1702.71 456.29,1701.29 ccw(c527,1630.58) 427,1630.58 427,1447.05

## Polygon pours and split planes (outlines as drawn)
GND on Bottom Layer "Bottom Layer-No Net" (solid, remove dead copper, pour order 4): -219,2816 3416,2816 3481,2751 3060,2330 3060,425 -101,425 -287,611
GND on Bottom Layer "Bottom Layer-No Net" (solid, remove dead copper, pour order 2): 421,1778 440,1757.63 747,1757.63 747,1365.9 742.43,1361 403,1361
GND on Top Layer "Bottom Layer-No Net" (solid, remove dead copper, pour order 6): -272,2918 -135,2781 3519,2781 3519,552 3218,251 3055,414 -380,414

## Keep-outs
Keep-Out Layer:
  lines w10: -38.08,2537.5 cw(c99.61,2539.32) 102,2677 ; -38,804 -38,2537.5 ; -37,804 ccw(c100.68,801.61) 102.5,663.92 ; 17.02,2717 16.98,2737 ; 76.97,2747.09 17,2727 ; 77.03,2707.09 17,2727 ; 78,2676 2476,2676 ; 102.42,664 2476,664 ; 918.62,2728.39 17,2727 ; 1710.38,2729.61 2612,2731 ; 2472,664 ccw(c2474.39,801.68) 2612.08,803.5 ; 2472.5,2676.08 cw(c2474.32,2538.39) 2612,2536 2612,800 ; 2551.97,2750.91 2612,2731 ; 2552.03,2710.91 2612,2731 ; 2612.02,2721 2611.98,2741 ; 2677.01,705.91 2697.01,645.91 ; 2677.01,2597.91 2697.01,2657.91 ; 2687.01,645.91 2707.01,645.91 ; 2687.01,2657.91 2707.01,2657.91 ; 2697.01,1375.99 2697.01,645.91 ; 2697.01,1927.82 2697.01,2657.91 ; 2717.01,705.91 2697.01,645.91 ; 2717.01,2597.91 2697.01,2657.91
  text "2595.003 (mil)" at 928.68,2692.41 h60 r0.09
  text "2012 (mil)" at 2733,1385.99 h60 r90

## Silkscreen, mask and mechanical layers (free items; w line width, h text height)
Top Overlay:
  text "RST" at 1910,2583 h30
  text "G" at 2041,2583 h30
  text "A14" at 2106,2583 h30
  text "3V3" at 2347,2583 h30
  text "A13" at 2224,2582 h30
  text "E2" at 298,2548 h30
  text "E4" at -6,2446 h30
  text "E3" at 298,2442 h30
  text "E1" at 452,2354 h30 r90
  text "B3" at 848,2350 h30 r90
  text "A13" at 1881,2350 h30
  text "A12" at 2192,2350 h30
  text "B7" at 648,2349 h30 r90
  text "B5" at 750,2349 h30 r90
  text "B9" at 551,2348 h30 r90
  text "E6" at -6,2347 h30
  text "E5" at 298,2345 h30
  text "D0" at 1650,2343 h30 r90
  text "G9" at 1255,2342 h30 r90
  text "D6" at 1352,2342 h30 r90
  text "D4" at 1452,2340 h30 r90
  text "D2" at 1549,2340 h30 r90
  text "C11" at 1748,2329 h30 r90
  text "G" at 2505,2328 h30
  text "G14" at 952,2324 h30 r90
  text "G10" at 1158,2323 h30 r90
  text "G12" at 1054,2322 h30 r90
  text "A15" at 1844,2318 h30 r90
  text "A11" at 1891,2252 h30
  text "B4" at 848,2251 h30 r90
  text "B8" at 648,2250 h30 r90
  text "B6" at 750,2250 h30 r90
  text "A10" at 2193,2250 h30
  text "C13" at 298,2249 h30
  text "E0" at 551,2249 h30 r90
  text "F0" at -6,2248 h30
  text "D7" at 1255,2243 h30 r90
  text "D5" at 1352,2243 h30 r90
  text "C12" at 1650,2243 h30 r90
  text "D3" at 1452,2241 h30 r90
  text "D1" at 1549,2241 h30 r90
  text "C10" at 1748,2230 h30 r90
  text "A14" at 1845,2223 h30 r90
  text "G15" at 952,2211 h30 r90
  text "G11" at 1158,2210 h30 r90
  text "G13" at 1054,2209 h30 r90
  text "F2" at -6,2150 h30
  text "F1" at 298,2145 h30
  text "A9" at 1814,2141 h30
  text "A8" at 1905.99,2141 h30
  text "C9" at 1813,2049 h30
  text "C8" at 1905.99,2049 h30
  text "F4" at -6,2047 h30
  text "F3" at 298,2042 h30
  text "F6" at -6,1948 h30
  text "C7" at 1816,1946 h30
  text "C6" at 1905.99,1946 h30
  text "F5" at 298,1945 h30
  text "F7" at 298,1847 h30
  text "F8" at -6,1844 h30
  text "G8" at 1819,1843 h30
  text "F10" at -24,1747 h30
  text "F9" at 298,1745 h30
  text "G7" at 1821,1742 h30
  text "G6" at 1905.99,1742 h30
  text "G5" at 1820,1644.84 h30
  text "G4" at 1905.99,1644.84 h30
  text "G2" at 1819,1554 h30
  text "G3" at 1905.99,1554 h30
  text "D14" at 1790,1452 h30
  text "D15" at 1881,1452 h30
  text "D12" at 1788,1348 h30
  text "D13" at 1881,1348 h30
  text "D10" at 1792,1244 h30
  text "D11" at 1891,1244 h30
  text "C0" at 298,1149 h30
  text "D8" at 1820,1148 h30
  text "D9" at 1905.99,1148 h30
  text "RST" at -17,1147 h30
  text "BUPT Robot" at 887,1121 h60
  text "C1" at 19.33,1048 h30
  text "B11" at 1844,1048 h30 r90
  text "B14" at 1881,1048 h30
  text "B15" at 2185,1047 h30
  text "C2" at 297.7,1041.98 h30
  text "5V" at 454,1019 h30 r90
  text "3V3" at 552,1019 h30 r90
  text "A5" at 648,1019 h30 r90
  text "A7" at 748,1019 h30 r90
  text "C5" at 849,1019 h30 r90
  text "B1" at 960,1019 h30 r90
  text "F11" at 1052,1019 h30 r90
  text "F14" at 1150,1019 h30 r90
  text "G0" at 1237,1019 h30 r90
  text "E7" at 1338,1019 h30 r90
  text "E9" at 1448,1019 h30 r90
  text "E11" at 1546,1019 h30 r90
  text "E13" at 1644,1019 h30 r90
  text "E15" at 1741,1019 h30 r90
  text "B12" at 1881,950 h30
  text "C3" at 6,948 h30
  text "B13" at 2189,946 h30
  text "3V3" at 298,945 h30
  text "F12" at 1052,935 h30 r90
  text "F15" at 1243,935 h30 r90
  text "F13" at 1150,934 h30 r90
  text "G" at 454,933 h30 r90
  text "G1" at 1340,933 h30 r90
  text "A6" at 648,932 h30 r90
  text "C4" at 748,932 h30 r90
  text "E14" at 1744,931 h30 r90
  text "B10" at 1847,931 h30 r90
  text "A4" at 552,930 h30 r90
  text "E8" at 1450,930 h30 r90
  text "B0" at 849,929 h30 r90
  text "BT1" at 960,929 h30 r90
  text "E10" at 1549,929 h30 r90
  text "E12" at 1647,929 h30 r90
  text "A1" at 298,851 h30
  text "A0" at 6,848 h30
  text "A2" at 6,752 h30
  text "A3" at 297,746 h30